# Altium PCB Pleiades_PP.PcbDoc (part 7 of 15) (continued)
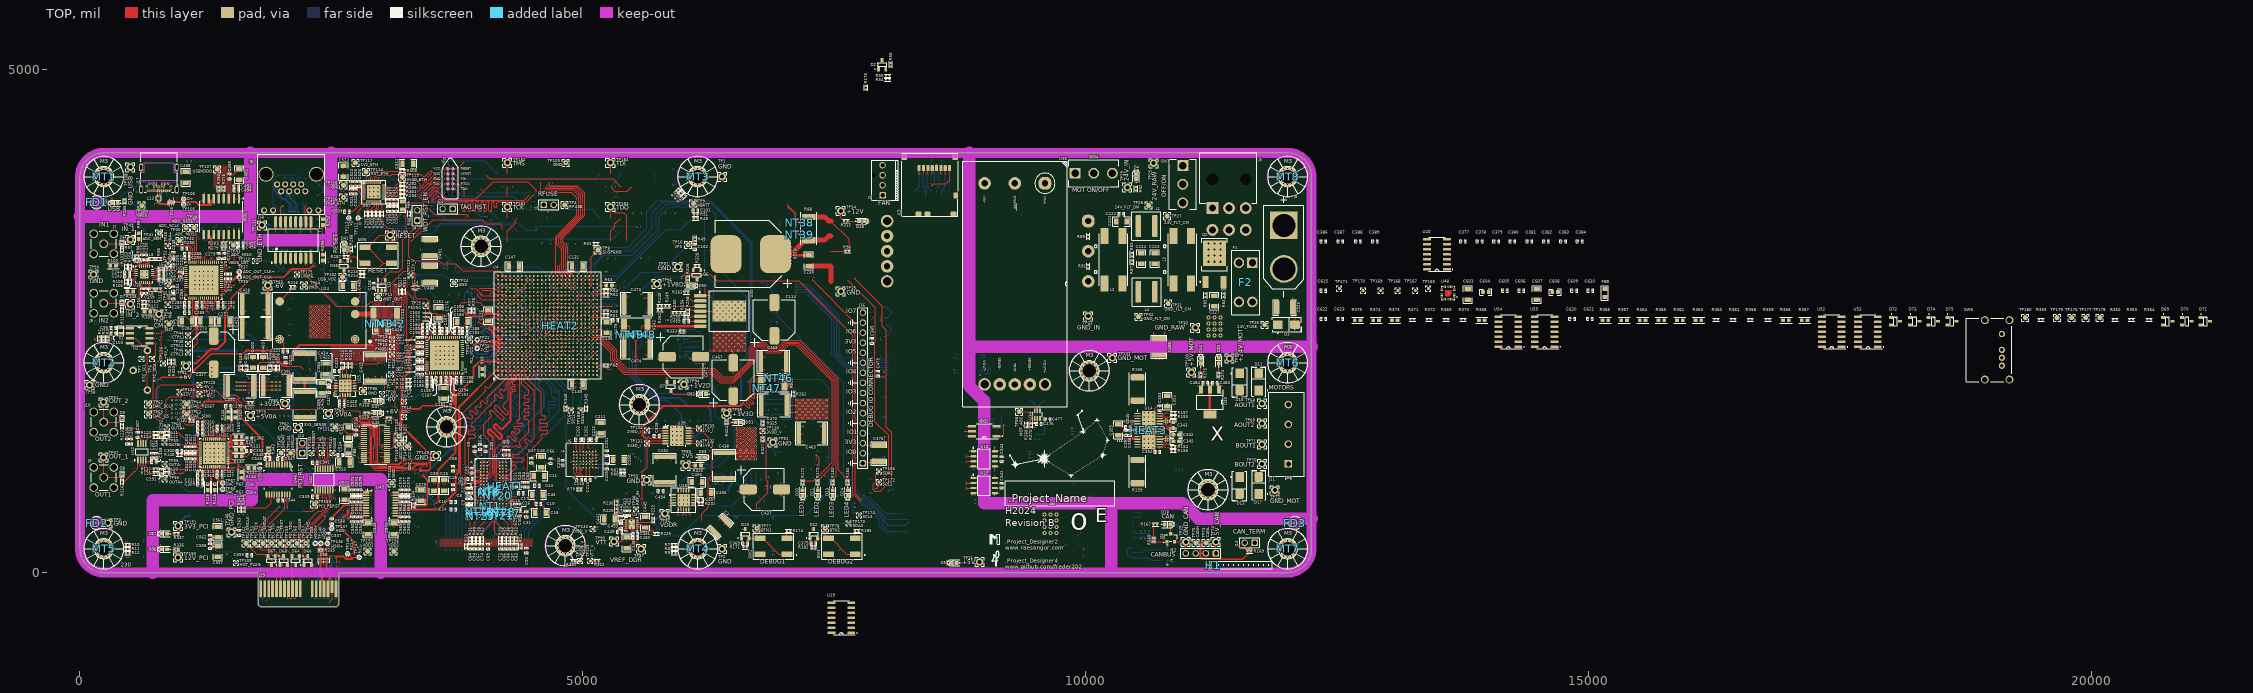
[diagram p0: TOP view]
## Nets (pads, with @x,y where several pads share a name; then routed paths per layer and width w, separated by ;. In a path a pad name is that pad's centre, name@x,y a point inside that pad or via, vN(x,y) a via of type N, cw(c..) or ccw(c..) an arc to the next point about the centre after c; other vN are vias at no path point) (continued)
  BOT w8.89: NT23.2@3984.41,732.28 v1(4000,732.28)
BA1: NT26.2 U1.N8 U4.H5 | length 2926
  TOP w8.89: U1.N8@4204.72,716.54 v1(4220.47,732.28) ; U4.H5@4433.07,2122.05 v1(4452.76,2102.36)
  IN1 w5.75: v1(4220.47,732.28) 4433.65,732.28 4629.92,928.55 4629.92,1284.22 4629.92,1287.09 ccw(c4617.04,1287.09) 4617.04,1299.97 4597.9,1299.97 cw(c4597.9,1312.85) 4597.9,1325.73 4643.54,1325.73 ccw(c4643.54,1338.6) 4643.54,1351.48 4597.9,1351.48 cw(c4597.9,1364.36) 4597.9,1377.24 4643.54,1377.24 ccw(c4643.54,1390.11) 4643.54,1402.99 4597.9,1402.99 cw(c4597.9,1415.87) 4597.9,1428.74 4643.54,1428.74 ccw(c4643.54,1441.62) 4643.54,1454.5 4597.9,1454.5 cw(c4597.9,1467.38) 4597.9,1480.25 4643.54,1480.25 ccw(c4643.54,1493.13) 4643.54,1506.01 4597.9,1506.01 cw(c4597.9,1518.89) 4597.9,1531.76 4643.54,1531.76 ccw(c4643.54,1544.64) 4643.54,1557.52 4597.9,1557.52 cw(c4597.9,1570.39) 4597.9,1583.27 4643.54,1583.27 ccw(c4643.54,1596.15) 4643.54,1609.03 4597.9,1609.03 cw(c4597.9,1621.9) 4597.9,1634.78 4643.54,1634.78 ccw(c4643.54,1647.66) 4643.54,1660.54 4597.9,1660.54 cw(c4597.9,1673.41) 4597.9,1686.29 4643.54,1686.29 ccw(c4643.54,1699.17) 4643.54,1712.04 4597.9,1712.04 cw(c4597.9,1724.92) 4597.9,1737.8 4642.52,1737.8 ccw(c4642.52,1750.68) 4642.52,1763.55 4617.04,1763.55 cw(c4617.04,1776.43) 4617.04,1789.31 ccw(c4617.04,1802.19) 4629.92,1802.19 4629.92,1869.96 4583.72,1916.16 4497.19,2002.69 4482.31,2002.69 4465.49,2019.51 4465.49,2089.62 v1(4452.76,2102.36)
  BOT w8.89: v1(4220.47,732.28) NT26.2@4236.06,732.28
BA2: NT29.2 U1.M3 U4.E3 | length 2887.8
  TOP w8.89: U1.M3@4047.24,748.03 v1(4094.49,700.79) ; U4.E3@4314.96,2043.31 v1(4334.65,2062.99)
  IN2 w5.75: v1(4094.49,700.79) 4115.28,679.99 4115.28,585.28 4040,510 3846.77,510 3599.68,757.09 3599.68,1228.67 3656.38,1285.36 3656.38,1556.97 3880.78,1781.37 3882.81,1783.41 ccw(c3870.17,1796.05) 3882.81,1808.69 3879.81,1811.69 cw(c3892.45,1824.33) 3879.81,1836.97 cw(c3892.45,1824.33) 3905.09,1836.97 3936.38,1805.69 ccw(c3949.02,1818.33) 3961.66,1805.69 ccw(c3949.02,1818.33) 3961.66,1830.97 3930.38,1862.26 cw(c3943.02,1874.9) 3930.38,1887.54 cw(c3943.02,1874.9) 3955.66,1887.54 3986.94,1856.25 ccw(c3999.59,1868.89) 4012.23,1856.25 ccw(c3999.59,1868.89) 4012.23,1881.53 3983.01,1910.75 cw(c3995.65,1923.39) 3983.01,1936.03 cw(c3995.65,1923.39) 4008.29,1936.03 4009.22,1935.1 ccw(c4021.87,1947.74) 4034.51,1935.1 4108.83,2009.42 4144.52,2045.11 4316.77,2045.11 v1(4334.65,2062.99)
  BOT w8.89: v1(4094.49,700.79) 4094.95,700.33 4094.95,694.47 NT29.2@4095,694.41
BOUT1_13: D12.1 D16.2 J11.2 TP71.1 U14.11 | length 196.2
  TOP w20: v5@10325,1309.57 v5@10405,1309.57 ; v5(10405,1310) 10406.35,1310 10421.79,1325.43 U14.11@10514.76,1325.43
  other v5: 10325,1310 10345,1310 10365,1310 10385,1310
BOUT2_13: D13.1 D17.2 J11.1 TP70.1 U14.18 | length 237.9
  TOP w20: U14.18@10735.24,1325.43 v5@10780.43,1325.43 ; v5@10820,1325.43 v5@10819.57,1325.43 ; v5@10780.43,1325.43 v5@10800,1325.43 ; v5@10780.43,1325.43 v5(10800,1305.87) ; v5@10780.43,1325.43 v5(10780,1325.87) v5(10800,1345.87) ; v5(10800,1305.87) v5@10819.57,1325.43 ; v5(10800,1305.87) v5@10800,1325.43 ; v5@10800,1325.43 v5(10800,1325.87) v5(10800,1345.87) ; v5@10800,1325.43 v5@10819.57,1325.43 ; v5(10800,1345.87) v5(10820,1325.87) v5@10819.57,1325.43
BTN_1: C369.1 D19.2 R171.2 SW2.1 SW2.4 TP77.1 U4.Y15 | length 7378.3
  TOP w8.89: v1(4885.83,2496.06) U4.Y15@4905.51,2515.75
  TOP w10: R171.2@6632.5,249.33 C369.1@6632.5,290 6632.5,313.5 6652,333 D19.2@6652,339 6652.26,338.74 SW2.4@6752.56,338.74 ; v1(6730,440) 6730,361.3 SW2.4@6752.56,338.74 ; SW2.1@7027.87,181.26 6946.18,181.26 6788.7,338.74 SW2.4@6762.13,338.74 SW2.4@6752.56,338.74
  IN1 w5: v1(4885.83,2496.06) 4906.06,2496.06 4940,2530 4940,2550 4995,2605 5075,2605 5107,2637 5352,2637 5375,2660 6250,2660 6263.5,2673.5 6643.5,2673.5 6710,2740 7945,2740 8010.5,2674.5 8014.96,2670.04 8014.96,669.96 7725,380 6790,380 v1(6730,440)
BTN_2: C375.1 D22.2 R182.2 SW3.1 SW3.4 TP78.1 U4.Y14 | length 6525.4
  TOP w8.89: v1(4885.83,2456.69) U4.Y14@4905.51,2476.38
  TOP w10: R182.2@7312.5,250 C375.1@7312.5,290 7312.5,313.5 7332,333 D22.2@7332,339 7332.26,338.74 SW3.4@7432.56,338.74 ; v1(7410,440) 7410,361.3 SW3.4@7432.56,338.74 ; SW3.1@7707.87,181.26 7626.18,181.26 7468.7,338.74 SW3.4@7442.13,338.74 SW3.4@7432.56,338.74
  IN1 w5: v1(4885.83,2456.69) 4950,2520.87 4950,2545 5000,2595 5086.61,2595 5120.61,2629 5276,2629 5297,2608 5693,2608 5730,2645 6670,2645 6715,2690 7920,2690 7949.5,2660.5 7949.5,2106.85 7969,2087.35 7969,684 7725,440 v1(7410,440)
BUSY: R79.1 U4.Y16 U6.C1 | length 2899.4
  TOP w5.95: v1(4956.26,1059.25) U6.C1@4972.01,1043.5
  TOP w8.89: v1(4885.83,2535.43) U4.Y16@4905.51,2555.12
  TOP w10: U6.C1@4972.01,1043.5 4972.01,991.87 5000.6,963.28 5000.6,846.09 R79.1@4981.75,827.24
  IN2 w3.68: v1(4885.83,2535.43) 4902.67,2552.27 4902.67,2581.78 4889.44,2595 4819.44,2595 4778.55,2554.11 4778.55,2491.45 4825,2445 4825,2169.12 4814.37,2158.49 4814.37,1168.65 4810,1164.29 4810,1153.06 4827.59,1135.47 4827.59,1073.86 ccw(c4836.93,1073.86) 4836.93,1064.52 4850.38,1064.52 cw(c4850.38,1055.18) 4850.38,1045.84 4826.11,1045.84 ccw(c4826.11,1036.5) 4826.11,1027.16 4858.25,1027.16 cw(c4858.25,1017.82) 4858.25,1008.49 4809.87,1008.49 ccw(c4809.87,999.15) 4809.87,989.81 4858.25,989.81 cw(c4858.25,980.47) 4858.25,971.13 4827.24,971.13 ccw(c4827.24,961.79) 4827.24,952.45 4858.25,952.45 cw(c4858.25,943.12) 4858.25,933.78 4827.24,933.78 ccw(c4827.24,924.44) 4827.24,915.1 4858.25,915.1 cw(c4858.25,905.76) 4858.25,896.42 4856.12,896.42 ccw(c4856.12,887.09) 4849.52,880.48 4858.76,871.24 4870,860 4940.07,860 4958.73,878.66 4958.73,965.26 4958.73,1056.78 v1(4956.26,1059.25)
CAN_13_H: J12.3 R169.1 TP76.1 U18.14 | length 1243.3
  TOP w2.64: J12.3@11095,190 11139.64,190 ; TP76.1@11095,295 11139.64,295 11141.18,293.45 11141.18,191.54 11139.64,190 ; R169.1@11645,210 11643.39,210 11563.26,129.87 11160.5,129.87 11141.18,149.18 11141.18,188.45 11139.64,190
  BOT w2.64: U18.14@10468.06,450 10468.06,469.64 10469.61,471.18 ; 10892.53,481.18 11141.18,232.53 11141.18,191.54 11139.64,190 J12.3@11095,190
CAN_13_L: J12.2 J13.1 TP73.1 U18.13 | length 1329.2
  TOP w2.64: J12.2@11195,190 11150.36,190 ; TP73.1@11195,295 11150.36,295 11148.82,293.45 11148.82,191.54 11150.36,190 ; J13.1@11680,295 11624.32,239.32 11624.32,217.9 11624.32,201.73 11560.1,137.51 11163.66,137.51 11148.82,152.35 11148.82,188.45 11150.36,190
  BOT w2.64: U18.13@10468.06,500 10468.06,480.36 10469.61,478.82 ; 10895.69,488.82 11148.82,235.69 11148.82,191.54 11150.36,190 J12.2@11195,190
CAN_AUX_OUT_13: Q4.1 R168.2 U18.17 | length 204.5
  TOP w12: 10605,310 10672.19,310 10675.93,306.25 10806.66,306.25 Q4.1@10807.6,305.31
CC1_16: D38.2 J17.A5 R289.1 | length 128.8
  TOP w10: v1(814.26,3773.5) J17.A5@814.26,3796
  BOT w10: v1(814.26,3773.5) 814.8,3773.5 826.3,3785 R289.1@867.5,3785 867.5,3737.81 D38.2@866.68,3737
CC2_16: D39.2 J17.B5 R290.1 | length 431
  BOT w5: D39.2@394,3737 400,3737 448,3785 R290.1@507.5,3785 611.26,3888.76 731.74,3888.76 J17.B5@753.24,3867.26
CK_N: NT27.2 U1.K7 U4.G3 | length 2925.7
  TOP w8.89: U1.K7@4173.23,811.02 v1(4188.98,826.77) ; U4.G3@4393.7,2043.31 v1(4413.39,2062.99)
  IN1 w4.86: v1(4188.98,826.77) 4178.16,837.59 4178.16,863.62 4224.9,910.36 4328.67,910.36 4490,1071.69 4490,1377.97 4490,1411.72 cw(c4502.43,1411.72) 4502.43,1424.15 4502.55,1424.15 ccw(c4502.55,1446.44) 4524.84,1446.44 ccw(c4502.55,1446.44) 4502.55,1468.73 4424.84,1468.73 cw(c4424.84,1481.16) 4412.41,1481.16 cw(c4424.84,1481.16) 4424.84,1493.59 4505.03,1493.59 ccw(c4505.03,1515.88) 4527.32,1515.88 ccw(c4505.03,1515.88) 4505.03,1538.18 4424.84,1538.18 cw(c4424.84,1550.61) 4412.41,1550.61 cw(c4424.84,1550.61) 4424.84,1563.04 4505.03,1563.04 ccw(c4505.03,1585.33) 4527.32,1585.33 ccw(c4505.03,1585.33) 4505.03,1607.62 4424.84,1607.62 cw(c4424.84,1620.05) 4412.41,1620.05 cw(c4424.84,1620.05) 4424.84,1632.48 4505.03,1632.48 ccw(c4505.03,1654.77) 4527.32,1654.77 ccw(c4505.03,1654.77) 4505.03,1677.06 4424.84,1677.06 cw(c4424.84,1689.49) 4412.41,1689.49 cw(c4424.84,1689.49) 4424.84,1701.93 4505.03,1701.93 ccw(c4505.03,1724.22) 4527.32,1724.22 ccw(c4505.03,1724.22) 4505.03,1746.51 4424.84,1746.51 cw(c4424.84,1758.94) 4412.41,1758.94 cw(c4424.84,1758.94) 4424.84,1771.37 4505.03,1771.37 ccw(c4505.03,1793.66) 4527.32,1793.66 ccw(c4505.03,1793.66) 4505.03,1815.95 4424.84,1815.95 cw(c4424.84,1828.38) 4412.41,1828.38 cw(c4424.84,1828.38) 4424.84,1840.81 4505.03,1840.81 ccw(c4505.03,1863.11) 4527.32,1863.11 ccw(c4505.03,1863.11) 4505.03,1885.4 4442.05,1885.4 cw(c4442.05,1910.1) 4424.58,1892.63 4420.7,1896.51 4398.63,1918.58 4398.63,2048.24 v1(4413.39,2062.99)
  BOT w7.01: NT27.2@4113.99,820.86 4113.99,845.35 4125.16,856.52 4168.09,856.52 4179.24,845.37 4179.24,834.59 4183.35,830.48 4183.92,830.48 4187.63,826.77 v1(4188.98,826.77)
CK_P: NT24.2 U1.J7 U4.G4 | length 2926
  TOP w8.89: v1(4157.48,826.77) U1.J7@4173.23,842.52 ; v1(4374.02,2062.99) U4.G4@4393.7,2082.68
  IN1 w4.86: v1(4157.48,826.77) 4168.3,837.59 4168.3,867.7 4220.82,920.22 4324.59,920.22 4478.24,1073.87 4478.24,1333.3 ccw(c4456.74,1333.3) 4477.72,1338.01 ccw(c4467.09,1335.62) 4467.09,1346.51 4463.52,1346.51 4458.64,1346.51 cw(c4458.64,1355.39) 4449.76,1355.39 cw(c4458.64,1355.39) 4458.64,1364.26 4466.43,1364.26 ccw(c4466.43,1377.97) 4480.14,1377.97 4480.14,1411.72 cw(c4502.43,1411.72) 4502.43,1434.01 4502.55,1434.01 ccw(c4502.55,1446.44) 4514.98,1446.44 ccw(c4502.55,1446.44) 4502.55,1458.87 4424.84,1458.87 cw(c4424.84,1481.16) 4402.55,1481.16 cw(c4424.84,1481.16) 4424.84,1503.45 4505.03,1503.45 ccw(c4505.03,1515.88) 4517.46,1515.88 ccw(c4505.03,1515.88) 4505.03,1528.31 4424.84,1528.31 cw(c4424.84,1550.61) 4402.55,1550.61 cw(c4424.84,1550.61) 4424.84,1572.9 4505.03,1572.9 ccw(c4505.03,1585.33) 4517.46,1585.33 ccw(c4505.03,1585.33) 4505.03,1597.76 4424.84,1597.76 cw(c4424.84,1620.05) 4402.55,1620.05 cw(c4424.84,1620.05) 4424.84,1642.34 4505.03,1642.34 ccw(c4505.03,1654.77) 4517.46,1654.77 ccw(c4505.03,1654.77) 4505.03,1667.2 4424.84,1667.2 cw(c4424.84,1689.49) 4402.55,1689.49 cw(c4424.84,1689.49) 4424.84,1711.79 4505.03,1711.79 ccw(c4505.03,1724.22) 4517.46,1724.22 ccw(c4505.03,1724.22) 4505.03,1736.65 4424.84,1736.65 cw(c4424.84,1758.94) 4402.55,1758.94 cw(c4424.84,1758.94) 4424.84,1781.23 4505.03,1781.23 ccw(c4505.03,1793.66) 4517.46,1793.66 ccw(c4505.03,1793.66) 4505.03,1806.09 4424.84,1806.09 cw(c4424.84,1828.38) 4402.55,1828.38 cw(c4424.84,1828.38) 4424.84,1850.67 4505.03,1850.67 ccw(c4505.03,1863.11) 4517.46,1863.11 ccw(c4505.03,1863.11) 4505.03,1875.54 4442.05,1875.54 cw(c4442.05,1910.1) 4417.59,1885.68 4406.76,1896.51 4388.77,1914.5 4388.77,2048.24 v1(4374.02,2062.99)
  BOT w7.01: NT24.2@4126.01,820.86 4126.01,840.38 4130.14,844.51 4163.11,844.51 4167.22,840.4 4167.22,834.59 4163.11,830.48 4162.53,830.48 4158.83,826.77 v1(4157.48,826.77)
CK_TERM_6_N: NT27.1 R42.1 | length 393.6
  BOT w7.01: R42.1@4100,417.5 4101.35,417.5 4107.84,423.99 4109.88,423.99 4113.99,428.1 4113.99,609.4 NT27.1@4113.99,803.36
CK_TERM_6_P: NT24.1 R37.1 | length 393.6
  BOT w7.01: NT24.1@4126.01,803.36 4126.01,604.42 4126.01,428.1 4130.12,423.99 4132.16,423.99 4138.65,417.5 R37.1@4140,417.5
CKE: NT2.2 U1.K9 U4.F5 | length 2875.7
  TOP w8.89: U1.K9@4236.22,811.02 v1(4251.97,795.28) ; v1(4334.65,2102.36) U4.F5@4354.33,2122.05
  BOT w8.89: NT2.2@4267.59,795.31 v1(4251.97,795.28) 4268.41,811.72 4268.41,896.58 4258.78,906.21 4213.66,906.21 4202.45,895 4140.25,895 4085.25,950 4002.76,950 3950,1002.76 3950,1367.07 3950,1371.52 ccw(c3932.05,1371.52) 3932.05,1389.47 3840.58,1389.47 cw(c3840.58,1407.41) 3840.58,1425.36 3972.05,1425.36 ccw(c3972.05,1443.3) 3972.05,1461.25 3840.58,1461.25 cw(c3840.58,1479.19) 3840.58,1497.14 3972.05,1497.14 ccw(c3972.05,1515.08) 3972.05,1533.03 3840.58,1533.03 cw(c3840.58,1550.97) 3840.58,1568.92 3972.05,1568.92 ccw(c3972.05,1586.86) 3972.05,1604.81 3880.86,1604.81 cw(c3880.86,1622.75) 3880.86,1640.7 3932.21,1640.7 ccw(c3932.21,1658.64) 3944.9,1645.95 3985.89,1686.94 4353.07,2054.12 4353.07,2083.94 v1(4334.65,2102.36)
CLK: R62.2 R64.1 U4.AD22 U6.B3 | length 2851.9
  TOP w5.95: v1(4924.76,1090.75) U6.B3@4940.51,1106.5 ; R64.1@5212.5,2800 5232.5,2780 5264.36,2780 5268.36,2776 v1(5270,2776)
  TOP w6: R62.2@5212.5,2760 R64.1@5212.5,2800
  TOP w8.89: U4.AD22@5062.99,2791.34 v1(5082.68,2771.65) 5200.85,2771.65 R62.2@5212.5,2760
  IN2 w3.68: v1(4924.76,1090.75) 4959.25,1090.75 5010,1040 5010,1010 5050,970 5153.93,970 5205,970 5205.88,970.88 cw(c5214.25,962.51) 5222.62,970.88 5238.52,954.98 ccw(c5246.89,963.35) 5255.26,954.98 ccw(c5246.89,963.35) 5255.26,971.72 5239.36,987.62 cw(c5247.74,995.99) 5239.36,1004.36 5269.42,1034.42 5294.42,1034.42 5620,1360 5620,1785 5410,1995 5410,2640 5274,2776 v1(5270,2776)
CLK_ADC_400MHZ_3_N: C236.1 R94.1 U5.17 | length 3446.8
  TOP w4.33: v1(3345,2440) 3345.89,2439.11 3362.91,2439.11 3378.41,2423.61 3378.41,2381.52 3413.48,2346.46 3431.94,2346.46 3462.28,2316.12 3462.28,2311.16 3458.76,2307.64 U5.17@3448.82,2307.64
  IN1 w3.09: v1(940,2860) 940.42,2860 952.4,2871.98 956.6,2871.98 957.4,2872.78 959.97,2872.78 965.55,2867.2 965.55,2683.22 957.86,2675.53 957.86,2369.28 1147.14,2180 1819.09,2180 1828.73,2170.36 1856.27,2170.36 1865.91,2180 2607.86,2180 2633.77,2205.91 3025.91,2205.91 3276.55,2456.55 3345.64,2456.55 3347.45,2454.73 3347.45,2442.45 v1(3345,2440)
  BOT w4.33: v1(940,2860) C236.1@967.5,2860 967.5,2841.04 R94.1@1000,2808.54
CLK_ADC_400MHZ_3_P: C235.1 R95.1 U5.16 | length 3464.5
  TOP w4.33: v1(3370.39,2461.85) 3369.5,2460.96 3369.5,2445.71 3387.74,2427.47 3387.74,2385.39 3417.34,2355.79 3435.81,2355.79 3468.88,2322.71 3473.84,2322.71 3477.36,2326.24 U5.16@3477.36,2336.18
  IN1 w3.09: v1(941,2883.98) 943.85,2881.13 950.21,2881.13 950.27,2881.07 952.83,2881.07 953.64,2881.88 963.73,2881.88 974.64,2870.97 974.64,2679.45 966.95,2671.76 966.95,2373.05 1150.91,2189.09 1822.86,2189.09 1832.5,2179.45 1852.5,2179.45 1862.14,2189.09 2604.09,2189.09 2630,2215 3022.14,2215 3272.78,2465.64 3349.4,2465.64 3353.88,2461.17 3369.71,2461.17 v1(3370.39,2461.85)
  BOT w4.33: v1(941,2883.98) 951.01,2893.99 961.49,2893.99 C235.1@967.5,2900 967.5,2928.96 R95.1@1000,2961.46
CLK_ADC_OUT_N: TP39.1 U4.A13 U9.56 | length 3550.8
  TOP w4.33: U9.56@1406.18,2895.16 1417.12,2895.16 1422.3,2900.34 1523.56,2900.34 1553.38,2930.17 1553.38,2932.34 1578.88,2957.84 1582.47,2957.84 1585,2955.3 v1(1585,2935) ; v1(3979.98,2497.2) 3979.5,2496.73 3979.5,2487.72 3986.76,2480.46 4016.76,2480.46 4022.38,2474.84 4078.38,2474.84 4131.56,2421.66 4164.18,2421.66 4166.71,2424.19 4166.71,2427.78 U4.A13@4157.48,2437.01
  IN1 w3.09: v1(1585,2935) 1581.91,2931.91 1581.91,2929.34 1622.54,2888.71 1626.86,2884.39 ccw(c1635.02,2892.56) 1643.18,2884.4 1646.72,2887.93 cw(c1661.31,2873.33) 1674.44,2889.26 1674.58,2889.26 1677.24,2886.6 1677.24,2886.46 cw(c1661.31,2873.33) 1675.91,2858.74 1668.92,2851.75 ccw(c1677.09,2843.59) 1685.22,2835.39 1690.29,2840.46 cw(c1704.89,2825.86) 1718.02,2841.79 1718.15,2841.79 1720.81,2839.13 1720.81,2838.99 cw(c1704.89,2825.86) 1719.48,2811.27 1717.9,2809.68 ccw(c1726.06,2801.52) 1717.9,2793.35 1736.98,2774.27 1806.44,2704.81 2188.05,2704.81 2207.86,2685 3414.18,2685 3540.37,2811.19 3870.42,2811.19 3881.74,2799.87 3881.74,2793.54 3883.97,2791.3 3890.54,2791.3 v1(3893.39,2788.45)
  BOT w4.33: v1(3893.39,2788.45) 3891.92,2786.98 3891.92,2783.4 3891.76,2783.24 3895,2780 3901.77,2773.23 3901.77,2746.46 ccw(c3909.94,2746.46) 3909.94,2738.29 3941.74,2738.29 cw(c3941.74,2730.13) 3941.74,2721.97 3909.94,2721.97 ccw(c3909.94,2713.8) 3909.94,2705.64 3944.37,2705.64 cw(c3944.37,2697.48) 3944.37,2689.31 3909.94,2689.31 ccw(c3909.94,2681.15) 3901.77,2681.15 3901.77,2630.01 3901.77,2612.45 3973.03,2541.19 3973.03,2503.57 3979.4,2497.2 v1(3979.98,2497.2)
CLK_ADC_OUT_P: TP37.1 U4.C13 U9.57 | length 3547.1
  TOP w4.33: U9.57@1406.18,2914.84 1417.12,2914.84 1422.3,2909.66 1519.69,2909.66 1544.06,2934.03 1544.06,2936.2 1575.02,2967.16 1582.47,2967.16 1585,2969.7 v1(1585,2990) ; v1(3958.03,2487.49) 3958.28,2487.24 3966.79,2487.24 3982.9,2471.13 4012.9,2471.13 4018.52,2465.51 4074.52,2465.51 4127.7,2412.33 4185.47,2412.33 4194.66,2421.53 4220.74,2421.53 U4.C13@4236.22,2437.01
  IN1 w3.09: v1(1585,2990) 1585,2963.96 1566.13,2945.09 1566.13,2932.25 1616.11,2882.27 1620.4,2877.99 ccw(c1635.02,2892.56) 1649.61,2877.96 1653.15,2881.5 cw(c1661.31,2873.33) 1669.51,2865.2 1662.49,2858.18 ccw(c1677.09,2843.59) 1662.47,2829.01 ; 1662.51,2828.97 ccw(c1677.09,2843.59) 1691.68,2828.99 1696.72,2834.03 cw(c1704.89,2825.86) 1713.05,2817.7 1711.46,2816.11 ccw(c1726.06,2801.52) 1711.46,2786.92 1730.55,2767.84 1802.67,2695.72 2184.28,2695.72 2204.09,2675.91 3417.94,2675.91 3544.13,2802.09 3866.65,2802.09 3872.65,2796.1 3872.65,2793.54 3870.42,2791.3 3863.85,2791.3 v1(3861,2788.45)
  BOT w4.33: v1(3861,2788.45) 3872.81,2776.65 3885.16,2776.65 3892.45,2769.36 3892.45,2608.58 3963.7,2537.33 3963.7,2493.86 3958.03,2488.19 v1(3958.03,2487.49)
CLK_DAC_200MHZ_3_N: R128.1 U5.20 U11.4 | length 3984.4
  TOP w4.33: U11.4@1285.79,1053.19 1285.79,1041.26 1280.61,1036.09 1280.61,982.56 1310.99,952.18 1310.99,912.42 1309.66,911.09 1309.66,881.08 1312.2,878.54 v1(1340,878.54) ; 3264.7,1398.49 3204.33,1458.86 3204.33,1914.36 3285,1995.03 3285,2205.03 3333.22,2253.25 3419.95,2253.25 3424.61,2248.58 v1(3426.32,2248.58) ; 3264.73,1398.49 3490,1173.22 3490,1030 3470.14,1010.14 3397.25,1010.14 3392.41,1005.3 3371.59,1005.3 3367.98,1008.91 3364.4,1008.91 3358.52,1003.03 v1(3358.03,1003.03)
  TOP w10: v1(3426.32,2248.58) U5.20@3448.82,2248.58
  IN1 w3.09: v1(1340,878.54) 1340,907.5 1342.5,910 1452.77,910 1507.77,965 1630,965 1675.37,1010.37 2541.85,1010.37 2551.06,1019.58 3352.98,1019.58 3357.7,1014.86 3357.7,1003.36 v1(3358.03,1003.03)
CLK_DAC_200MHZ_3_P: R129.1 U5.19 U11.3 | length 4025.9
  TOP w4.33: U11.3@1266.1,1053.19 1266.1,1041.26 1271.28,1036.09 1271.28,978.7 1301.66,948.32 1301.66,916.28 1300.34,914.95 1300.34,881.08 1297.8,878.54 v1(1270,878.54) ; v1(3377.45,1019.47) 3466.28,1019.47 3480.67,1033.86 3480.67,1169.36 3260.87,1389.16 3195,1455 3195,1918.22 3275.67,1998.89 3275.67,2208.89 3329.35,2262.57 3419.95,2262.57 3425.64,2268.27 v1(3426.32,2268.27)
  TOP w10: v1(3426.32,2268.27) U5.19@3448.82,2268.27
  IN1 w3.09: v1(1270,878.54) 1310.55,919.09 1449,919.09 1504,974.09 1626.23,974.09 1671.61,1019.47 2538.08,1019.47 2547.29,1028.67 3356.75,1028.67 3365.62,1019.8 3377.12,1019.8 v1(3377.45,1019.47)
CLK_FPGA_100MHZ_N: TP22.1 U4.B14 U5.28 | length 1121.5
  TOP w8.89: U4.B14@4196.85,2476.38 v1(4216.54,2456.69)
  TOP w10: v1(3426.32,2091.1) U5.28@3448.82,2091.1
  IN1 w3.09: v1(3426.32,2091.1) 3430.29,2091.1 3435.58,2096.4 3442.15,2096.4 3515,2169.24 3515,2252.14 3539.41,2276.55 3935.09,2276.55 3941.86,2269.78 3946.36,2269.78 3950,2266.14 v1(3950,2230) 3956.19,2236.19 3956.19,2266.14 3958,2267.95 3973.51,2267.95 4133.43,2427.87 4180.72,2427.87 4201.4,2448.55 4201.4,2454.88 4203.21,2456.69 v1(4216.54,2456.69)
CLK_FPGA_100MHZ_P: TP21.1 U4.A14 U5.27 | length 1103.9
  TOP w8.89: U4.A14@4157.48,2476.38 v1(4177.17,2456.69)
  TOP w10: v1(3426.32,2110.79) U5.27@3448.82,2110.79
  IN1 w3.09: v1(3426.32,2110.79) 3430.29,2110.79 3435.58,2105.49 3438.39,2105.49 3505.91,2173.01 3505.91,2255.91 3535.64,2285.64 3938.86,2285.64 3945.62,2278.88 3948.19,2278.88 3950,2280.69 v1(3950,2315) 3956.19,2308.81 3956.19,2278.86 3958,2277.05 3969.74,2277.05 4129.66,2436.96 4176.95,2436.96 4192.3,2452.32 4192.3,2454.88 4190.49,2456.69 v1(4177.17,2456.69)
CLKOUT: U4.AD18 U6.C2 | length 2875.7
  TOP w5.95: U6.C2@4972.01,1075 v1(4987.76,1090.75)
  TOP w8.89: U4.AD18@5062.99,2633.86 v1(5082.68,2653.54)
  IN2 w3.68: v1(4987.76,1090.75) 5050,1028.5 5050,1015 5059.52,1005.48 5205.48,1005.48 5380.18,1180.18 5381.48,1181.48 ccw(c5373.11,1189.85) 5381.48,1198.22 5369.94,1209.76 cw(c5378.31,1218.13) 5369.94,1226.5 cw(c5378.31,1218.13) 5386.68,1226.5 5411,1202.18 ccw(c5419.37,1210.55) 5427.74,1202.18 ccw(c5419.37,1210.55) 5427.74,1218.93 5403.42,1243.25 cw(c5411.79,1251.62) 5403.42,1259.99 cw(c5411.79,1251.62) 5420.16,1259.99 5444.48,1235.67 ccw(c5452.85,1244.04) 5461.23,1235.67 ccw(c5452.85,1244.04) 5461.23,1252.41 5436.9,1276.73 cw(c5445.28,1285.1) 5436.9,1293.47 cw(c5445.28,1285.1) 5453.65,1293.47 5477.97,1269.15 ccw(c5486.34,1277.52) 5494.71,1269.15 ccw(c5486.34,1277.52) 5494.71,1285.89 5470.39,1310.22 cw(c5478.76,1318.59) 5470.39,1326.96 cw(c5478.76,1318.59) 5487.13,1326.96 5511.45,1302.64 ccw(c5519.82,1311.01) 5528.19,1302.64 ccw(c5519.82,1311.01) 5528.19,1319.38 5514.17,1333.41 cw(c5522.54,1341.78) 5514.17,1350.15 cw(c5522.54,1341.78) 5530.91,1350.15 5532.16,1348.9 ccw(c5540.53,1357.27) 5548.9,1348.9 5555,1355 5555,1410 5555,1733.74 5401.05,1887.69 5401.05,2588.95 v1(5340,2650)
  BOT w8.89: v1(5082.68,2653.54) 5099.12,2669.99 5320.01,2669.99 v1(5340,2650)
COL_CONFIG0: U4.R24 U37.28 | length 3624.9
  TOP w5.95: U37.28@2931.3,3881.3 2930,3882.6 2930,3935 2945,3950 3095,3950 3105.98,3960.98 3389.02,3960.98 3410,3940 3412.11,3937.89 ccw(c3421.28,3947.07) 3430.46,3937.89 3479.04,3986.48 cw(c3488.22,3977.3) 3497.4,3986.48 cw(c3488.22,3977.3) 3497.4,3968.13 3432.64,3903.37 ccw(c3441.82,3894.2) 3432.64,3885.02 ccw(c3441.82,3894.2) 3451,3885.02 3515.75,3949.78 cw(c3524.93,3940.6) 3534.1,3949.78 cw(c3524.93,3940.6) 3534.1,3931.42 3485.52,3882.84 ccw(c3494.69,3873.66) 3485.52,3864.48 ccw(c3494.69,3873.66) 3503.87,3864.48 3552.46,3913.07 cw(c3561.63,3903.89) 3570.81,3913.07 cw(c3561.63,3903.89) 3570.81,3894.72 3522.22,3846.13 ccw(c3531.4,3836.95) 3522.22,3827.78 ccw(c3531.4,3836.95) 3540.57,3827.78 3576.22,3863.42 cw(c3585.4,3854.25) 3594.57,3863.42 cw(c3585.4,3854.25) 3594.57,3845.07 3558.93,3809.43 ccw(c3568.1,3800.25) 3558.93,3791.07 3613.29,3736.71 3615.39,3734.61 3635.98,3714.02 3939.02,3714.02 4110,3885 4450,3885 4535,3800 v1(4535,3785)
  TOP w8.89: U4.R24@4708.66,2870.08 v1(4728.35,2889.76)
  IN2 w3.68: v1(4535,3785) 4535,3663.81 4581.66,3617.15 4581.66,3273.34 4790,3065 4790,2970.71 4728.35,2909.06 v1(4728.35,2889.76)
CRS_CONFIG1: U4.N20 U37.29 | length 3600.7
  TOP w8.89: U4.N20@4629.92,2712.6 v1(4649.61,2732.28)
  TOP w10: U37.29@2911.61,3881.3 v1(2911.61,3909.65)
  IN2 w3.68: v1(2911.61,3909.65) 3026.97,4025 3055,4025 3056.84,4025 ccw(c3056.84,4036.84) 3068.68,4036.84 3068.68,4053.16 cw(c3080.52,4053.16) 3092.35,4053.16 3092.35,3996.84 ccw(c3104.19,3996.84) 3116.03,3996.84 3116.03,4053.16 cw(c3127.87,4053.16) 3139.71,4053.16 3139.71,3996.84 ccw(c3151.55,3996.84) 3163.38,3996.84 3163.38,4053.16 cw(c3175.22,4053.16) 3187.06,4053.16 3187.06,3996.84 ccw(c3198.9,3996.84) 3210.74,3996.84 3210.74,4053.16 cw(c3222.58,4053.16) 3234.41,4053.16 3234.41,4017.68 ccw(c3246.25,4017.68) 3258.09,4017.68 3258.09,4053.16 cw(c3269.93,4053.16) 3281.77,4053.16 3281.77,4008.26 ccw(c3293.6,4008.26) 3305.44,4008.26 3305.44,4036.84 cw(c3317.28,4036.84) 3329.12,4036.84 ccw(c3340.96,4036.84) 3340.96,4025 3460,4025 3870,4025 3985,3910 v1(3985,3815) ; v1(4440,3775) 4440,3620 4465,3595 4465,3245 4590,3120 4590,2760 4617.72,2732.28 v1(4649.61,2732.28)
  BOT w5.95: v1(3985,3815) 4025,3775 v1(4440,3775)
D0_N: R151.1 U4.F11 U11.28 | length 3919.1
  TOP w4.33: U11.28@1384.21,1326.81 1384.21,1338.74 1389.39,1343.91 1389.39,1353.69 1389.39,1382.17 v1(1398.72,1391.5)
  TOP w8.89: v1(4334.65,2338.58) U4.F11@4354.33,2358.27
  IN1 w3.09: v1(1398.72,1391.5) 1405.17,1385.05 1437.25,1385.05 1462.21,1410 1510,1410 1516.09,1410 ccw(c1516.09,1421.55) 1527.64,1421.55 1527.64,1429.36 cw(c1548.28,1429.36) 1548.28,1450 cw(c1548.28,1429.36) 1568.93,1429.36 1568.93,1411.19 ccw(c1580.47,1411.19) 1580.47,1399.64 ccw(c1580.47,1411.19) 1592.02,1411.19 1592.02,1428.35 cw(c1612.66,1428.35) 1612.66,1448.99 cw(c1612.66,1428.35) 1633.3,1428.35 1633.3,1421.55 ccw(c1644.85,1421.55) 1644.85,1410 ccw(c1644.85,1421.55) 1656.4,1421.55 cw(c1677.04,1421.55) 1677.04,1442.19 cw(c1677.04,1421.55) 1697.68,1421.55 ccw(c1709.23,1421.55) 1709.23,1410 1750,1410 1844.09,1504.09 2070,1504.09 2114.28,1548.38 2114.28,1584.28 2203.93,1673.93 2826.07,1673.93 2858.57,1706.43 2858.57,1721.43 3076.23,1939.09 3091.23,1939.09 3203.57,2051.43 3203.57,2218.57 3302.82,2317.82 3354.96,2317.82 3461.23,2424.09 3699.09,2424.09 3745.94,2470.94 3993.06,2470.94 v1(4007.03,2456.97)
  BOT w4.33: R151.1@1355,1341.46 1397.25,1383.71 1397.25,1390.03 v1(1398.72,1391.5) ; v1(4007.03,2456.97) 4006.14,2456.97 3999.77,2450.6 3999.77,2446.57 4045.47,2400.87 4055.6,2400.87 4092.67,2363.79 4304.4,2363.79 4319.62,2348.56 4319.62,2341.12 4322.16,2338.58 v1(4334.65,2338.58)